# KiCad board RADAR_Main_Boardq.kicad_pcb (continued)
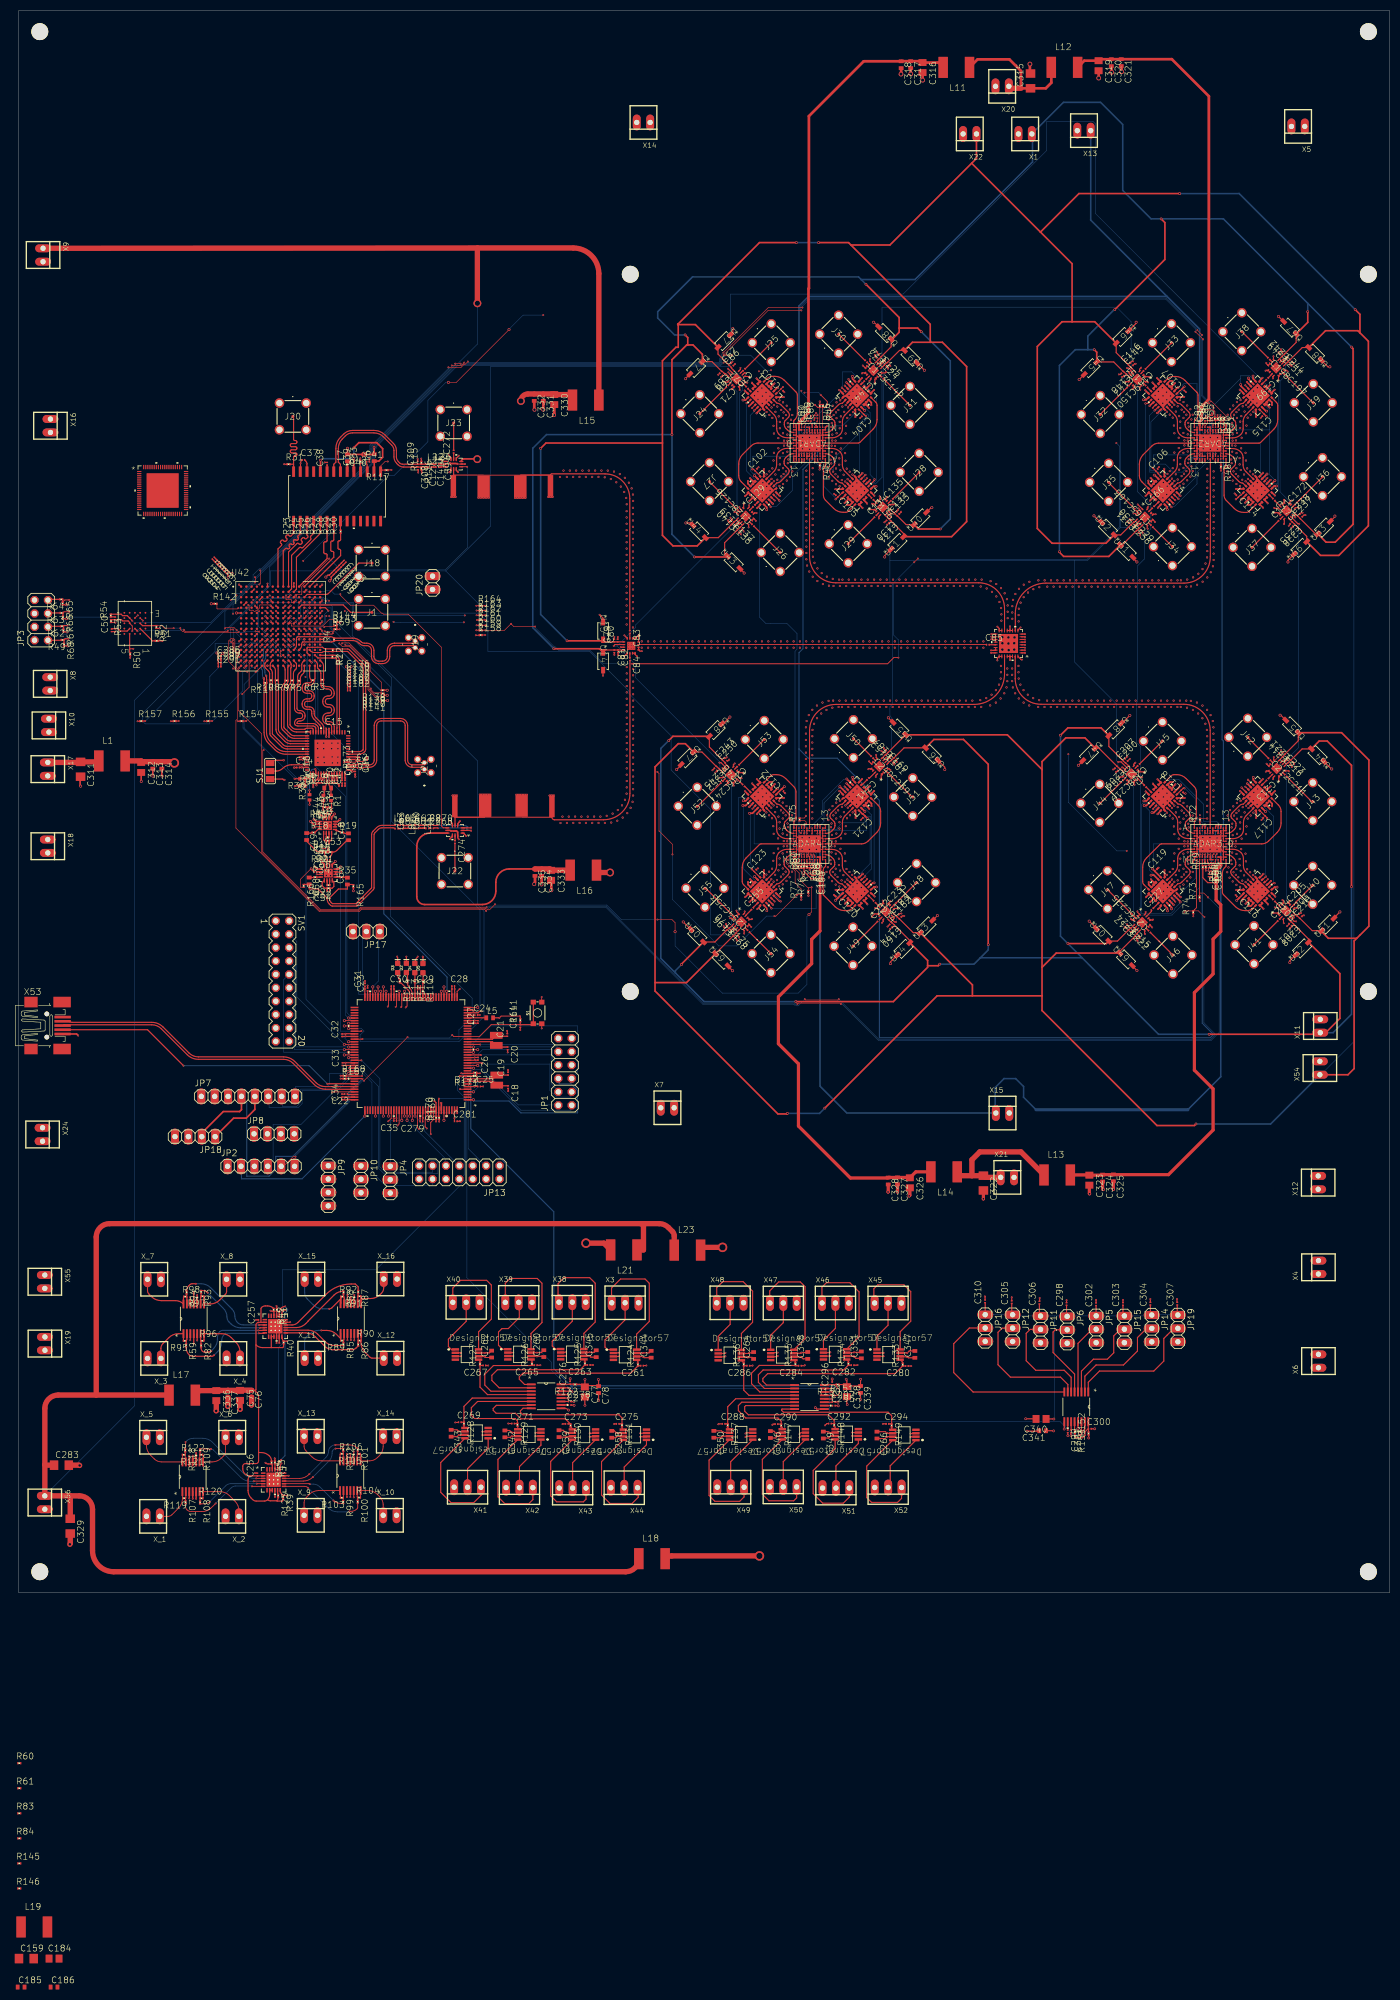
[diagram p0: board, top side]
## Placement (name value [footprint] x y rotation side) (continued)
OPA_2  OPA4703EA/250  [PW14]  33.2 51.95 90 top
OPA_3  OPA4703EA/250  [PW14]  62.9 22.2 90 top
OPA_4  OPA4703EA/250  [PW14]  63 52 90 top
R1  24R  [R0402]  59.23 150.71 270 top
R2  100R  [R0201]  59.5 177.5 270 top
R3  100R  [R0201]  57.56 173.11 180 top
R4  100R  [R0201]  59.81 180.74 90 top
R5  100R  [R0201]  53.16 172.94 180 top
R6  100R  [R0201]  55.8 173.04 180 top
R7  100R  [R0201]  51.85 172.99 180 top
R8  100R  [R0201]  48.95 173.01 180 top
R9  100R  [R0201]  50.79 172.96 180 top
R10  100R  [R0201]  47.85 173.01 180 top
R11  100R  [R0201]  46.77 172.53 180 top
R12  100R  [R0201]  59.57 178.72 270 top
R13  24R  [R0402]  57.79 150.7 270 top
R14  115R  [R0201]  58.6 143.28 180 top
R15  4.3k  [R0201]  58.6 142.62 180 top
R16  200R  [R0201]  58.01 148.94 180 top
R17  200R  [R0201]  59.07 148.92 180 top
R18  0R  [R0201]  55.93 144.16 0 top
R19  0R  [R0201]  61.32 144.15 0 top
R20  200R  [R0201]  58.22 140.45 180 top
R21  200R  [R0201]  59.16 140.45 180 top
R22  56R  [R0201]  58.76 134.18 180 top
R23  22R  [R0201]  52.14 201.13 90 top
R24  22R  [R0201]  53.44 201.1 90 top
R25  22R  [R0201]  54.69 201.12 90 top
R26  22R  [R0201]  55.94 201.14 90 top
R27  22R  [R0201]  57.24 201.16 90 top
R28  22R  [R0201]  58.49 201.18 90 top
R29  22R  [R0201]  59.76 201.19 90 top
R30  22R  [R0201]  61.06 201.21 90 top
R31  50R  [R0201]  51.18 213.99 0 top
R32  4.3k  [R0201]  58.76 133.6 180 top
R33  3k2  [R0201]  64.84 214.45 90 top
R34  0R  [R0201]  56.23 135.69 0 top
R35  0R  [R0201]  61.21 135.68 0 top
R36  830R  [R0402]  53.83 154.35 180 top
R37  1k  [R0402]  53.81 152.99 0 top
R38  20k  [R0402]  55.16 150.83 90 top
R39  10k  [R0201]  50.14 18.2 270 top
R40  10k  [R0201]  50.24 47.48 270 top
R41  1k  [R0201]  48.94 53.66 270 top
R42  4.7k  [R0201]  48.36 53.66 270 top
R43  1k  [R0201]  48.59 24.74 270 top
R44  4.7k  [R0201]  47.96 24.69 270 top
R45  4.7k  [R0201]  151.96 213.75 270 top
R46  4.7k  [R0201]  151.95 225.02 270 top
R47  4.7k  [R0201]  152.5 225.03 270 top
R48  4.7k  [R0201]  228.03 213.51 270 top
R49  22R  [R0201]  8.32 180.66 180 top
R50  4.7k  [R0201]  21.13 177.99 270 top
R51  22R  [R0201]  26.17 180.49 0 top
R52  4.7k  [R0201]  26.11 183.12 270 top
R53  4.7k  [R0201]  17.51 184.25 270 top
R54  4.7k  [R0201]  17.46 185.3 90 top
R55  1k  [R0201]  227.41 222.59 90 top
R56  1k  [R0201]  225.16 137.61 270 top
R57  1k  [R0201]  147.86 137.67 270 top
R58  1k  [R0201]  149.49 137.69 270 top
R59  1k  [R0201]  31.74 46.95 270 top
R60  33R  [R0201]  0.1 -32.3 0 top
R61  33R  [R0201]  0.1 -37.05 0 top
R62  22R  [R0201]  8.21 183.26 180 top
R63  22R  [R0201]  8.11 185.79 180 top
R64  22R  [R0201]  8.07 188.36 180 top
R65  4.7k  [R0201]  8.33 187.59 270 top
R66  4.7k  [R0201]  8.38 184.94 270 top
R67  4.7k  [R0201]  8.48 182.47 270 top
R68  4.7k  [R0201]  8.58 179.78 270 top
R69  4.7k  [R0201]  60.07 182.71 0 top
R70  4.7k  [R0201]  227.96 222.61 270 top
R71  4.7k  [R0201]  228.51 222.62 270 top
R72  4.7k  [R0201]  224.06 146.58 90 top
R73  4.7k  [R0201]  223.99 131.89 90 top
R74  4.7k  [R0201]  222.78 129.02 90 top
R75  4.7k  [R0201]  148.11 146.64 90 top
R76  4.7k  [R0201]  149.76 132.9 90 top
R77  4.7k  [R0201]  148.42 132.2 90 top
R78  840R  [R0201]  226.88 222.61 270 top
R79  840R  [R0201]  224.6 137.59 90 top
R80  840R  [R0201]  148.4 137.67 90 top
R81  840R  [R0201]  148.95 137.67 90 top
R82  1k  [R0201]  34.59 46.9 270 top
R83  33R  [R0201]  0.1 -41.8 0 top
R84  33R  [R0201]  0.1 -46.55 0 top
R85  1k  [R0201]  61.59 47.14 270 top
R86  1k  [R0201]  64.39 47.07 270 top
R87  1k  [R0201]  64.39 57.05 270 top
R88  1k  [R0201]  61.59 56.93 270 top
R89  2.443k  [R0201]  61.33 47.83 180 top
R90  2.443k  [R0201]  64.65 47.82 0 top
R91  2.443k  [R0201]  64.62 56.23 180 top
R92  2.443k  [R0201]  61.36 56.17 0 top
R93  1k  [R0201]  34.59 57.06 270 top
R94  1k  [R0201]  31.84 56.94 270 top
R95  2.443k  [R0201]  31.51 47.78 180 top
R96  2.443k  [R0201]  34.82 47.77 0 top
R97  2.443k  [R0201]  34.85 56.23 180 top
R98  2.443k  [R0201]  31.58 56.17 0 top
R99  1k  [R0201]  61.54 17.22 270 top
R100  1k  [R0201]  64.3 17.28 270 top
R101  1k  [R0201]  64.3 27.13 270 top
R102  1k  [R0201]  61.55 27.13 270 top
R103  2.443k  [R0201]  61.29 18.03 180 top
R104  2.443k  [R0201]  64.54 18.07 0 top
R105  2.443k  [R0201]  64.53 26.33 180 top
R106  2.443k  [R0201]  61.3 26.37 0 top
R107  1k  [R0201]  31.65 17.18 270 top
R108  1k  [R0201]  34.4 17.13 270 top
R109  1k  [R0201]  34.4 27.03 270 top
R110  500R  [R0201]  76.7 115.88 270 top
R111  10k  [R0201]  95.14 108.56 90 top
R112  500R  [R0201]  75.15 115.93 270 top
R113  500R  [R0201]  73.75 115.93 270 top
R114  500R  [R0201]  72.3 115.93 270 top
R115  50R  [R0201]  76.36 213.18 90 top
R116  50R  [R0201]  76.37 214.26 270 top
R117  4.7k  [R0201]  69.78 212.87 180 top
R118  1k  [R0201]  31.58 26.98 270 top
R119  2.443k  [R0201]  31.37 17.93 180 top
R120  2.443k  [R0201]  34.66 17.92 0 top
R121  2.443k  [R0201]  34.61 26.18 180 top
R122  2.443k  [R0201]  31.32 26.17 0 top
R123  10k  [R0201]  49.2 18.43 270 top
R124  1k  [R0201]  117.45 43.27 90 top
R125  1k  [R0201]  107.4 43.47 90 top
R126  1k  [R0201]  97.35 43.42 90 top
R127  1k  [R0201]  87.5 43.37 90 top
R128  1k  [R0201]  84.45 32.08 270 top
R129  1k  [R0201]  94.6 31.88 270 top
R130  1k  [R0201]  104.68 31.73 270 top
R131  1k  [R0201]  114.43 31.78 270 top
R132  5R  [R0201]  105.53 39.53 180 top
R133  1k  [R0201]  167.67 43.27 90 top
R134  1k  [R0201]  157.37 43.42 90 top
R135  1k  [R0201]  147.32 43.37 90 top
R136  1k  [R0201]  137.52 43.32 90 top
R137  1k  [R0201]  134.48 31.78 270 top
R138  1k  [R0201]  69.03 171.15 180 top
R139  1k  [R0201]  69.03 170.5 180 top
R140  1k  [R0201]  69.03 169.84 180 top
R141  4.7k  [R0201]  69.03 169.17 180 top
R142  4.7k  [R0201]  37.34 187.53 0 top
R143  4.7k  [R0201]  60.07 183.41 0 top
R144  1k  [R0201]  60.07 184.08 0 top
R145  33R  [R0201]  0.1 -51.3 0 top
R146  33R  [R0201]  0.1 -56.05 0 top
R147  1k  [R0201]  144.63 31.73 270 top
R148  1k  [R0201]  154.68 31.83 270 top
R149  1k  [R0201]  165.58 31.73 270 top
R150  5R  [R0201]  155.33 39.49 180 top
R151  10k  [R0201]  154.47 37.43 0 top
R152  5R  [R0201]  202.92 30.22 90 top
R153  10k  [R0201]  200.33 30.48 270 top
R154  22.1k  [R0201]  42.27 165.29 0 top
R155  22.1k  [R0201]  35.92 165.29 0 top
R156  22.1k  [R0201]  29.57 165.29 0 top
R157  22.1k  [R0201]  23.22 165.29 0 top
R158  22.1k  [R0201]  87.62 181.59 0 top
R159  22.1k  [R0201]  87.62 182.49 0 top
R160  22.1k  [R0201]  87.62 183.44 0 top
R161  22.1k  [R0201]  87.62 184.44 0 top
R162  22.1k  [R0201]  87.62 185.34 0 top
R163  22.1k  [R0201]  87.62 186.24 0 top
R164  22.1k  [R0201]  87.62 187.14 0 top
R165  25R  [R0201]  63.47 133.96 270 top
R166  25R  [R0201]  54.05 134.03 270 top
R167  1k  [R0201]  61.82 97.48 0 top
R168  1k  [R0201]  61.82 98.03 0 top
R169  1k  [R0201]  79.72 90.07 90 top
R170  1k  [R0201]  79.17 90.07 90 top
R171  1k  [R0201]  86.58 98.07 180 top
R172  1k  [R0201]  86.58 98.62 180 top
R173  100R  [R0201]  63.5 156.75 90 top
RF_SW_1  M3SWA2-34DR+  [16_QFN]  137.9 204.15 315 top
RF_SW_2  M3SWA2-34DR+  [16_QFN]  163.85 205.85 45 top
RF_SW_3  M3SWA2-34DR+  [16_QFN]  136.16 230.16 225 top
RF_SW_4  M3SWA2-34DR+  [16_QFN]  162.1 231.76 135 top
RF_SW_5  M3SWA2-34DR+  [16_QFN]  213.6 203.95 315 top
RF_SW_6  M3SWA2-34DR+  [16_QFN]  240.5 205.15 45 top
RF_SW_7  M3SWA2-34DR+  [16_QFN]  212.15 230.1 225 top
RF_SW_8  M3SWA2-34DR+  [16_QFN]  238.5 232.25 135 top
RF_SW_9  M3SWA2-34DR+  [16_QFN]  213.1 127.1 315 top
RF_SW_10  M3SWA2-34DR+  [16_QFN]  240.35 129.3 45 top
RF_SW_11  M3SWA2-34DR+  [16_QFN]  211.05 155.25 225 top
RF_SW_12  M3SWA2-34DR+  [16_QFN]  238.6 156.3 135 top
RF_SW_13  M3SWA2-34DR+  [16_QFN]  137.05 127.2 315 top
RF_SW_14  M3SWA2-34DR+  [16_QFN]  164.45 129.2 45 top
RF_SW_15  M3SWA2-34DR+  [16_QFN]  135.1 155.1 225 top
RF_SW_16  M3SWA2-34DR+  [16_QFN]  163.25 156.7 135 top
S1  MOMENTARY-SWITCH-SPST-SMD-4.6X2.8MM  [TACTILE_SWITCH_SMD_4.6X2.8MM]  98.41 109.95 90 top
SJ1  -  [SJ_2]  47.68 155.81 90 top
SV1  -  [MA10-2]  50.03 115.98 270 top
U1  AD9484BCPZ-500  [CP_56_5_ADI]  58.6 159.25 270 top
U2  STM32F746ZGT7  [LQFP-144_STM]  74.41 102.23 180 top
U3  AD9708AR  [RW_28_ADI]  60.39 207.89 90 top
U4  AD8352ACPZ-R7  [CP_16_3_ADI]  58.59 145.49 90 top
U5  LTC5552IUDBTRMPBF  [UDB_12_ADI]  82.49 214.01 0 top
U6  FT601Q-B-T  [QFN76_FTD]  27.3 209 0 top
U7  DAC5578SRGET  [RGE24_2P7X2P7]  48.66 50.54 0 top
U8  AD8352ACPZ-R7  [CP_16_3_ADI]  58.72 136.47 90 top
U9  MT25QL01GBBB8E12-0AUT  [BGA24_MT25QL_MRN]  22.04 183.82 180 top
U10  ADS7830IPWR  [PW16]  100.04 37.25 0 top
U11  INA241A3IDGKRDGK0008A-MFG  [DGK0008A-MFG]  115 45.14 0 top
U13  LTC5552IUDBTRMPBF  [UDB_12_ADI]  82.76 144.55 180 top
U14  SZMMSZ5232BT1G  [SOD-123_ONS]  110.85 176.62 270 top
U15  SZMMSZ5232BT1G  [SOD-123_ONS]  110.85 182.37 270 top
U16  EP4RKU+  [DG1677-2_MNC]  187.75 180 180 top
U17  SZMMSZ5232BT1G  [SOD-123_ONS]  128.49 232.25 225 top
U37  SZMMSZ5232BT1G  [SOD-123_ONS]  133.83 237.34 225 top
U38  SZMMSZ5232BT1G  [SOD-123_ONS]  164.3 238.84 135 top
U39  SZMMSZ5232BT1G  [SOD-123_ONS]  169.16 234.38 135 top
U40  SZMMSZ5232BT1G  [SOD-123_ONS]  171.01 203.72 45 top
U41  SZMMSZ5232BT1G  [SOD-123_ONS]  166.66 199.06 45 top
U42  XC7A50T-2FTG256I  [BGA256C100P16X16_1700X1700X155]  49.68 183.28 0 top
U43  SZMMSZ5232BT1G  [SOD-123_ONS]  135.61 195.39 315 top
U44  SZMMSZ5232BT1G  [SOD-123_ONS]  129.06 201.24 315 top
U45  SZMMSZ5232BT1G  [SOD-123_ONS]  203.29 232.19 225 top
U46  SZMMSZ5232BT1G  [SOD-123_ONS]  209.35 238.11 225 top
U47  SZMMSZ5232BT1G  [SOD-123_ONS]  203.01 158.96 225 top
U48  SZMMSZ5232BT1G  [SOD-123_ONS]  207.96 163.71 225 top
U49  SZMMSZ5232BT1G  [SOD-123_ONS]  210.04 120.11 315 top
U50  SZMMSZ5232BT1G  [SOD-123_ONS]  205.59 124.76 315 top
U51  SZMMSZ5232BT1G  [SOD-123_ONS]  248.29 126.73 45 top
U52  SZMMSZ5232BT1G  [SOD-123_ONS]  243.44 122.18 45 top
U53  SZMMSZ5232BT1G  [SOD-123_ONS]  172.18 126.35 45 top
U54  SZMMSZ5232BT1G  [SOD-123_ONS]  167.83 122.1 45 top
U55  SZMMSZ5232BT1G  [SOD-123_ONS]  167.03 163.87 135 top
U56  SZMMSZ5232BT1G  [SOD-123_ONS]  173.18 159.01 135 top
U57  SZMMSZ5232BT1G  [SOD-123_ONS]  126.84 158.23 225 top
U58  SZMMSZ5232BT1G  [SOD-123_ONS]  132.19 163.58 225 top
U59  SZMMSZ5232BT1G  [SOD-123_ONS]  133.37 120.04 315 top
U60  SZMMSZ5232BT1G  [SOD-123_ONS]  128.72 124.59 315 top
U61  SZMMSZ5232BT1G  [SOD-123_ONS]  210.16 197.51 315 top
U62  SZMMSZ5232BT1G  [SOD-123_ONS]  206.61 201.76 315 top
U63  SZMMSZ5232BT1G  [SOD-123_ONS]  247.59 201.96 45 top
U64  SZMMSZ5232BT1G  [SOD-123_ONS]  246.37 158.82 135 top
U65  SZMMSZ5232BT1G  [SOD-123_ONS]  241.52 164.27 135 top
U66  SZMMSZ5232BT1G  [SOD-123_ONS]  243.12 198.13 45 top
U67  SZMMSZ5232BT1G  [SOD-123_ONS]  241.12 239.87 135 top
U68  SZMMSZ5232BT1G  [SOD-123_ONS]  245.87 234.92 135 top
U69  DAC5578SRGET  [RGE24_2P7X2P7]  48.35 21.44 0 top
U73  INA241A3IDGKRDGK0008A-MFG  [DGK0008A-MFG]  105 45.24 0 top
U74  INA241A3IDGKRDGK0008A-MFG  [DGK0008A-MFG]  94.97 45.22 0 top
U75  INA241A3IDGKRDGK0008A-MFG  [DGK0008A-MFG]  85.02 45.18 0 top
U76  INA241A3IDGKRDGK0008A-MFG  [DGK0008A-MFG]  86.84 30.28 180 top
U77  INA241A3IDGKRDGK0008A-MFG  [DGK0008A-MFG]  96.86 30.03 180 top
U78  INA241A3IDGKRDGK0008A-MFG  [DGK0008A-MFG]  107.22 30.01 180 top
U79  INA241A3IDGKRDGK0008A-MFG  [DGK0008A-MFG]  116.87 29.97 180 top
U80  INA241A3IDGKRDGK0008A-MFG  [DGK0008A-MFG]  164.99 45.18 0 top
U81  INA241A3IDGKRDGK0008A-MFG  [DGK0008A-MFG]  154.84 45.21 0 top
U82  INA241A3IDGKRDGK0008A-MFG  [DGK0008A-MFG]  144.83 45.1 0 top
U83  INA241A3IDGKRDGK0008A-MFG  [DGK0008A-MFG]  134.88 45.06 0 top
U84  INA241A3IDGKRDGK0008A-MFG  [DGK0008A-MFG]  137.03 30.02 180 top
U85  INA241A3IDGKRDGK0008A-MFG  [DGK0008A-MFG]  147.02 30.05 180 top
U86  INA241A3IDGKRDGK0008A-MFG  [DGK0008A-MFG]  157.06 30.07 180 top
U87  INA241A3IDGKRDGK0008A-MFG  [DGK0008A-MFG]  167.98 29.93 180 top
U88  ADS7830IPWR  [PW16]  149.99 37.12 0 top
U89  ADS7830IPWR  [PW16]  200.6 35.26 270 top
U$1  M3SWA2-34DR+  [16_QFN]  116.18 179.55 270 top
U$2  -  [BPF2]  100.86 212.01 180 top
U$3  -  [BPF2]  82.72 146.97 0 top
UNK_HOLE_0  -  [dummyfp0]  4 4 0 top
UNK_HOLE_1  -  [dummyfp1]  256 4 0 top
UNK_HOLE_2  -  [dummyfp2]  256 296 0 top
UNK_HOLE_3  -  [dummyfp3]  4 296 0 top
UNK_HOLE_4  -  [dummyfp4]  256 250 0 top
UNK_HOLE_5  -  [dummyfp5]  256 114 0 top
UNK_HOLE_6  -  [dummyfp6]  116 114 0 top
UNK_HOLE_7  -  [dummyfp7]  116 250 0 top
X1  -  [22-23-2021]  190.9 276.6 180 top
X3  -  [22-23-2031]  115.02 55 0 top
X4  -  [22-23-2021]  246.53 61.72 90 top
X5  -  [22-23-2021]  242.67 278.03 180 top
X6  -  [22-23-2021]  246.53 43.94 90 top
X7  -  [22-23-2021]  123.05 91.97 0 top
X8  -  [22-23-2021]  5.97 172.34 270 top
X9  -  [22-23-2021]  4.62 253.65 270 top
X10  -  [22-23-2021]  5.73 164.46 270 top
X11  -  [22-23-2021]  246.88 107.47 90 top
X12  -  [22-23-2021]  246.48 77.78 90 top
X13  -  [22-23-2021]  202.06 277.23 180 top
X14  -  [22-23-2021]  118.5 278.78 180 top
X15  -  [22-23-2021]  186.61 90.97 0 top
X16  -  [22-23-2021]  6.02 221.28 270 top
X17  -  [22-23-2021]  5.52 156.17 270 top
X18  -  [22-23-2021]  5.52 141.56 270 top
X19  -  [22-23-2021]  4.97 47.25 270 top
X20  -  [22-23-2021]  186.54 285.63 180 top
X21  -  [22-23-2021]  187.52 78.77 0 top
X22  -  [22-23-2021]  180.4 276.6 180 top
X24  -  [22-23-2021]  4.52 86.9 270 top
X38  -  [22-23-2031]  105 55.1 0 top
X39  -  [22-23-2031]  94.83 55.07 0 top
X40  -  [22-23-2031]  84.87 55.08 0 top
X41  -  [22-23-2031]  85.13 20.02 180 top
X42  -  [22-23-2031]  94.98 19.94 180 top
X43  -  [22-23-2031]  105.06 19.86 180 top
X44  -  [22-23-2031]  114.85 19.92 180 top
X45  -  [22-23-2031]  164.89 54.95 0 top
X46  -  [22-23-2031]  154.91 54.95 0 top
X47  -  [22-23-2031]  145.03 54.95 0 top
X48  -  [22-23-2031]  134.94 54.99 0 top
X49  -  [22-23-2031]  135.04 20.03 180 top
X50  -  [22-23-2031]  145.02 20.08 180 top
X51  -  [22-23-2031]  155.01 19.86 180 top
X52  -  [22-23-2031]  164.92 19.97 180 top
X53  MINI-USB-32005-201  [32005-201]  5.33 107.56 0 top
X54  -  [22-23-2021]  246.8 99.5 90 top
X55  -  [22-23-2021]  4.95 58.98 270 top
X56  -  [22-23-2021]  4.95 17.12 270 top
X_1  -  [22-23-2021]  25.5 14.5 180 top
X_2  -  [22-23-2021]  40.5 14.5 180 top
X_3  -  [22-23-2021]  25.7 44.45 180 top
X_4  -  [22-23-2021]  40.7 44.45 180 top
X_5  -  [22-23-2021]  25.5 29.5 0 top
X_6  -  [22-23-2021]  40.5 29.5 0 top
X_7  -  [22-23-2021]  25.7 59.45 0 top
X_8  -  [22-23-2021]  40.7 59.45 0 top
X_9  -  [22-23-2021]  55.4 14.7 0 top
X_10  -  [22-23-2021]  70.4 14.7 0 top
X_11  -  [22-23-2021]  55.5 44.5 0 top
X_12  -  [22-23-2021]  70.5 44.5 0 top
X_13  -  [22-23-2021]  55.4 29.7 0 top
X_14  -  [22-23-2021]  70.4 29.7 0 top
X_15  -  [22-23-2021]  55.5 59.5 0 top
X_16  -  [22-23-2021]  70.5 59.5 0 top
XTAL1  NX3225GD-8MHZ-STD-CRA-3  [XTAL_NX3225GD-8MHZ-STD-CRA-3_N]  90.58 104.75 270 top
XTAL3  NX3215SA-32.768KHz  [XTAL_NX3225GD-8MHZ-STD-CRA-3_N]  90.68 97.21 270 top

## Footprints (pads in the part's own frame, mm; a bottom-side part is the same pattern mirrored in y, then rotated)
1X02
  oval 1.524x3.048 hole 1.016: 1(-1.27,0) 2(1.27,0)
1X03
  oval 1.524x3.048 hole 1.016: 1(-2.54,0) 2(0,0) 3(2.54,0)
1X04
  oval 1.524x3.048 hole 1.016: 1(-3.81,0) 2(-1.27,0) 3(1.27,0) 4(3.81,0)
1X06
  oval 1.524x3.048 hole 1.016: 1(-6.35,0) 2(-3.81,0) 3(-1.27,0) 4(1.27,0) 5(3.81,0) 6(6.35,0)
1X08
  oval 1.524x3.048 hole 1.016: 1(-8.89,0) 2(-6.35,0) 3(-3.81,0) 4(-1.27,0) 5(1.27,0) 6(3.81,0) 7(6.35,0) 8(8.89,0)
2X04
  rrect 1.524x1.524 hole 1.016: 1(-3.81,-1.27) 2(-3.81,1.27) 3(-1.27,-1.27) 4(-1.27,1.27) 5(1.27,-1.27) 6(1.27,1.27) 7(3.81,-1.27) 8(3.81,1.27)
2X06
  rrect 1.524x1.524 hole 1.016: 1(-6.35,-1.27) 2(-6.35,1.27) 3(-3.81,-1.27) 4(-3.81,1.27) 5(-1.27,-1.27) 6(-1.27,1.27) 7(1.27,-1.27) 8(1.27,1.27) 9(3.81,-1.27) 10(3.81,1.27) 11(6.35,-1.27) 12(6.35,1.27)
2X07
  rrect 1.524x1.524 hole 1.016: 1(-7.62,-1.27) 2(-7.62,1.27) 3(-5.08,-1.27) 4(-5.08,1.27) 5(-2.54,-1.27) 6(-2.54,1.27) 7(0,-1.27) 8(0,1.27) 9(2.54,-1.27) 10(2.54,1.27) 11(5.08,-1.27) 12(5.08,1.27) 13(7.62,-1.27) 14(7.62,1.27)
16_QFN
  rect 0.5x0.22 smd: 1(-1.4,0.74) 2(-1.4,0.24) 3(-1.4,-0.26) 4(-1.4,-0.76) 9(1.4,-0.76) 10(1.4,-0.26) 11(1.4,0.24) 12(1.4,0.74)
  rect 0.22x0.5 smd: 5(-0.74,-1.4) 6(-0.24,-1.4) 7(0.26,-1.4) 8(0.76,-1.4) 13(0.76,1.4) 14(0.26,1.4) 15(-0.24,1.4) 16(-0.74,1.4)
  rect 1.54x1.54 smd: 17(0,0)
22-23-2021
  oval 1.5x3 hole 1: 1(-1.27,0) 2(1.27,0)
22-23-2031
  oval 1.5x3 hole 1: 1(-2.54,0) 2(0,0) 3(2.54,0)
0402
  rect 0.7x0.9 smd: 1(-0.65,0) 2(0.65,0)
32005-201
  round 0.9 hole 0.9 unplated: (0,2.2) (0,-2.2)
  rect 3.1x0.5 smd: 1(3,1.6) 2(3,0.8) 3(3,0) 4(3,-0.8) 5(3,-1.6)
  rect 2.5x2 smd: M1(-3,-4.45) M2(-3,4.45)
  rect 3.3x2 smd: M3(2.9,4.45) M4(2.9,-4.45)
1420731211
  rrect 0.559x0.559 smd: 1(0,0)
  round 1.791 hole 1.194: 2(-2.54,2.54) 3(-2.54,-2.54) 4(2.54,-2.54) 5(2.54,2.54)
BGA24_MT25QL_MRN
  rrect 0.33x0.33 smd: A2(-1,2) A3(0,2) A4(1,2) A5(2,2) B1(-2,1) B2(-1,1) B3(0,1) B4(1,1) B5(2,1) C1(-2,0) C2(-1,0) C3(0,0) C4(1,0) C5(2,0) D1(-2,-1) D2(-1,-1) D3(0,-1) D4(1,-1) D5(2,-1) E1(-2,-2) E2(-1,-2) E3(0,-2) E4(1,-2) E5(2,-2)
BGA256C100P16X16_1700X1700X155
  rrect 0.45x0.45 smd: A1(-7.5,7.5) A2(-6.5,7.5) A3(-5.5,7.5) A4(-4.5,7.5) A5(-3.5,7.5) A6(-2.5,7.5) A7(-1.5,7.5) A8(-0.5,7.5) A9(0.5,7.5) A10(1.5,7.5) A11(2.5,7.5) A12(3.5,7.5) A13(4.5,7.5) A14(5.5,7.5) A15(6.5,7.5) A16(7.5,7.5) B1(-7.5,6.5) B2(-6.5,6.5) B3(-5.5,6.5) B4(-4.5,6.5) B5(-3.5,6.5) B6(-2.5,6.5) B7(-1.5,6.5) B8(-0.5,6.5) B9(0.5,6.5) B10(1.5,6.5) B11(2.5,6.5) B12(3.5,6.5) B13(4.5,6.5) B14(5.5,6.5) B15(6.5,6.5) B16(7.5,6.5) C1(-7.5,5.5) C2(-6.5,5.5) C3(-5.5,5.5) C4(-4.5,5.5) C5(-3.5,5.5) C6(-2.5,5.5) C7(-1.5,5.5) C8(-0.5,5.5) C9(0.5,5.5) C10(1.5,5.5) C11(2.5,5.5) C12(3.5,5.5) C13(4.5,5.5) C14(5.5,5.5) C15(6.5,5.5) C16(7.5,5.5) D1(-7.5,4.5) D2(-6.5,4.5) D3(-5.5,4.5) D4(-4.5,4.5) D5(-3.5,4.5) D6(-2.5,4.5) D7(-1.5,4.5) D8(-0.5,4.5) D9(0.5,4.5) D10(1.5,4.5) D11(2.5,4.5) D12(3.5,4.5) D13(4.5,4.5) D14(5.5,4.5) D15(6.5,4.5) D16(7.5,4.5) E1(-7.5,3.5) E2(-6.5,3.5) E3(-5.5,3.5) E4(-4.5,3.5) E5(-3.5,3.5) E6(-2.5,3.5) E7(-1.5,3.5) E8(-0.5,3.5) E9(0.5,3.5) E10(1.5,3.5) E11(2.5,3.5) E12(3.5,3.5) E13(4.5,3.5) E14(5.5,3.5) E15(6.5,3.5) E16(7.5,3.5) F1(-7.5,2.5) F2(-6.5,2.5) F3(-5.5,2.5) F4(-4.5,2.5) F5(-3.5,2.5) F6(-2.5,2.5) F7(-1.5,2.5) F8(-0.5,2.5) F9(0.5,2.5) F10(1.5,2.5) F11(2.5,2.5) F12(3.5,2.5) F13(4.5,2.5) F14(5.5,2.5) F15(6.5,2.5) F16(7.5,2.5) G1(-7.5,1.5) G2(-6.5,1.5) G3(-5.5,1.5) G4(-4.5,1.5) G5(-3.5,1.5) G6(-2.5,1.5) G7(-1.5,1.5) G8(-0.5,1.5) G9(0.5,1.5) G10(1.5,1.5) G11(2.5,1.5) G12(3.5,1.5) G13(4.5,1.5) G14(5.5,1.5) G15(6.5,1.5) G16(7.5,1.5) H1(-7.5,0.5) H2(-6.5,0.5) H3(-5.5,0.5) H4(-4.5,0.5) H5(-3.5,0.5) H6(-2.5,0.5) H7(-1.5,0.5) H8(-0.5,0.5) H9(0.5,0.5) H10(1.5,0.5) H11(2.5,0.5) H12(3.5,0.5) H13(4.5,0.5) H14(5.5,0.5) H15(6.5,0.5) H16(7.5,0.5) J1(-7.5,-0.5) J2(-6.5,-0.5) J3(-5.5,-0.5) J4(-4.5,-0.5) J5(-3.5,-0.5) J6(-2.5,-0.5) J7(-1.5,-0.5) J8(-0.5,-0.5) J9(0.5,-0.5) J10(1.5,-0.5) J11(2.5,-0.5) J12(3.5,-0.5) J13(4.5,-0.5) J14(5.5,-0.5) J15(6.5,-0.5) J16(7.5,-0.5) K1(-7.5,-1.5) K2(-6.5,-1.5) K3(-5.5,-1.5) K4(-4.5,-1.5) K5(-3.5,-1.5) K6(-2.5,-1.5) K7(-1.5,-1.5) K8(-0.5,-1.5) K9(0.5,-1.5) K10(1.5,-1.5) K11(2.5,-1.5) K12(3.5,-1.5) K13(4.5,-1.5) K14(5.5,-1.5) K15(6.5,-1.5) K16(7.5,-1.5) L1(-7.5,-2.5) L2(-6.5,-2.5) L3(-5.5,-2.5) L4(-4.5,-2.5) L5(-3.5,-2.5) L6(-2.5,-2.5) L7(-1.5,-2.5) L8(-0.5,-2.5) L9(0.5,-2.5) L10(1.5,-2.5) L11(2.5,-2.5) L12(3.5,-2.5) L13(4.5,-2.5) L14(5.5,-2.5) L15(6.5,-2.5) L16(7.5,-2.5) M1(-7.5,-3.5) M2(-6.5,-3.5) M3(-5.5,-3.5) M4(-4.5,-3.5) M5(-3.5,-3.5) M6(-2.5,-3.5) M7(-1.5,-3.5) M8(-0.5,-3.5) M9(0.5,-3.5) M10(1.5,-3.5) M11(2.5,-3.5) M12(3.5,-3.5) M13(4.5,-3.5) M14(5.5,-3.5) M15(6.5,-3.5) M16(7.5,-3.5) N1(-7.5,-4.5) N2(-6.5,-4.5) N3(-5.5,-4.5) N4(-4.5,-4.5) N5(-3.5,-4.5) N6(-2.5,-4.5) N7(-1.5,-4.5) N8(-0.5,-4.5) N9(0.5,-4.5) N10(1.5,-4.5) N11(2.5,-4.5) N12(3.5,-4.5) N13(4.5,-4.5) N14(5.5,-4.5) N15(6.5,-4.5) N16(7.5,-4.5) P1(-7.5,-5.5) P2(-6.5,-5.5) P3(-5.5,-5.5) P4(-4.5,-5.5) P5(-3.5,-5.5) P6(-2.5,-5.5) P7(-1.5,-5.5) P8(-0.5,-5.5) P9(0.5,-5.5) P10(1.5,-5.5) P11(2.5,-5.5) P12(3.5,-5.5) P13(4.5,-5.5) P14(5.5,-5.5) P15(6.5,-5.5) P16(7.5,-5.5) R1(-7.5,-6.5) R2(-6.5,-6.5) R3(-5.5,-6.5) R4(-4.5,-6.5) R5(-3.5,-6.5) R6(-2.5,-6.5) R7(-1.5,-6.5) R8(-0.5,-6.5) R9(0.5,-6.5) R10(1.5,-6.5) R11(2.5,-6.5) R12(3.5,-6.5) R13(4.5,-6.5) R14(5.5,-6.5) R15(6.5,-6.5) R16(7.5,-6.5) T1(-7.5,-7.5) T2(-6.5,-7.5) T3(-5.5,-7.5) T4(-4.5,-7.5) T5(-3.5,-7.5) T6(-2.5,-7.5) T7(-1.5,-7.5) T8(-0.5,-7.5) T9(0.5,-7.5) T10(1.5,-7.5) T11(2.5,-7.5) T12(3.5,-7.5) T13(4.5,-7.5) T14(5.5,-7.5) T15(6.5,-7.5) T16(7.5,-7.5)
BPF2
  rect 0.169x0.169 smd: P$1(0,0.1) P$2(18.415,0.1)
C0201
  rect 0.25x0.35 smd: 1(-0.25,0) 2(0.25,0)
C0402
  rect 0.7x0.9 smd: 1(-0.65,0) 2(0.65,0)
C0805
  rect 1.3x1.5 smd: 1(-0.95,0) 2(0.95,0)
C1206
  rect 1.6x1.8 smd: 1(-1.4,0) 2(1.4,0)
CC-24-8_ADI
  rect 0.508x0.356 smd: 1(-2.146,1.625) 2(-2.146,0.975) 3(-2.146,0.325) 4(-2.146,-0.325) 5(-2.146,-0.975) 6(-2.146,-1.625) 13(2.146,-1.625) 14(2.146,-0.975) 15(2.146,-0.325) 16(2.146,0.325) 17(2.146,0.975) 18(2.146,1.625)
  rect 0.356x0.508 smd: 7(-1.625,-2.146) 8(-0.975,-2.146) 9(-0.325,-2.146) 10(0.325,-2.146) 11(0.975,-2.146) 12(1.625,-2.146) 19(1.625,2.146) 20(0.975,2.146) 21(0.325,2.146) 22(-0.325,2.146) 23(-0.975,2.146) 24(-1.625,2.146)
  rect 3.302x3.302 smd: 25(0,0)
CC-88-1_ADI
  rect 4.242x3.251 smd: 89(0,0)
  rect 0.254x0.254 smd: A1(-3,3) A2(-2.5,3) A3(-2,3) A4(-1.5,3) A5(-1,3) A6(-0.5,3) A7(0,3) A8(0.5,3) A9(1,3) A10(1.5,3) A11(2,3) A12(2.5,3) A13(3,3) B1(-3,2.5) B2(-2.5,2.5) B3(-2,2.5) B4(-1.5,2.5) B5(-1,2.5) B6(-0.5,2.5) B7(0,2.5) B8(0.5,2.5) B9(1,2.5) B10(1.5,2.5) B11(2,2.5) B12(2.5,2.5) B13(3,2.5) C1(-3,2) C2(-2.5,2) C12(2.5,2) C13(3,2) D1(-3,1.5) D2(-2.5,1.5) D12(2.5,1.5) D13(3,1.5) E1(-3,1) E2(-2.5,1) E12(2.5,1) E13(3,1) F1(-3,0.5) F2(-2.5,0.5) F12(2.5,0.5) F13(3,0.5) G1(-3,0) G2(-2.5,0) G12(2.5,0) G13(3,0) H1(-3,-0.5) H2(-2.5,-0.5) H12(2.5,-0.5) H13(3,-0.5) J1(-3,-1) J2(-2.5,-1) J12(2.5,-1) J13(3,-1) K1(-3,-1.5) K2(-2.5,-1.5) K12(2.5,-1.5) K13(3,-1.5) L1(-3,-2) L2(-2.5,-2) L12(2.5,-2) L13(3,-2) M1(-3,-2.5) M2(-2.5,-2.5) M3(-2,-2.5) M4(-1.5,-2.5) M5(-1,-2.5) M6(-0.5,-2.5) M7(0,-2.5) M8(0.5,-2.5) M9(1,-2.5) M10(1.5,-2.5) M11(2,-2.5) M12(2.5,-2.5) M13(3,-2.5) N1(-3,-3) N2(-2.5,-3) N3(-2,-3) N4(-1.5,-3) N5(-1,-3) N6(-0.5,-3) N7(0,-3) N8(0.5,-3) N9(1,-3) N10(1.5,-3) N11(2,-3) N12(2.5,-3) N13(3,-3)
CJTTPHHSTTH1
  round 1 hole 0.64: 1(-0.635,0) 2(0.635,0)
  round 1.365 hole 0.84: MH1(-1.27,1.27) MH2(1.27,1.27) MH3(-1.27,-1.27) MH4(1.27,-1.27)
CP_16_3_ADI
  rect 0.813x0.254 smd: 1(-1.397,0.75) 2(-1.397,0.25) 3(-1.397,-0.25) 4(-1.397,-0.75) 9(1.397,-0.75) 10(1.397,-0.25) 11(1.397,0.25) 12(1.397,0.75)
  rect 0.254x0.813 smd: 5(-0.75,-1.397) 6(-0.25,-1.397) 7(0.25,-1.397) 8(0.75,-1.397) 13(0.75,1.397) 14(0.25,1.397) 15(-0.25,1.397) 16(-0.75,1.397)
  rect 1.651x1.651 smd: 17(0,0)
CP_56_5_ADI
  rect 0.805x0.249 smd: 1(-3.902,3.25) 2(-3.902,2.75) 3(-3.902,2.25) 4(-3.902,1.75) 5(-3.902,1.25) 6(-3.902,0.75) 7(-3.902,0.25) 8(-3.902,-0.25) 9(-3.902,-0.75) 10(-3.902,-1.25) 11(-3.902,-1.75) 12(-3.902,-2.25) 13(-3.902,-2.75) 14(-3.902,-3.25) 29(3.902,-3.25) 30(3.902,-2.75) 31(3.902,-2.25) 32(3.902,-1.75) 33(3.902,-1.25) 34(3.902,-0.75) 35(3.902,-0.25) 36(3.902,0.25) 37(3.902,0.75) 38(3.902,1.25) 39(3.902,1.75) 40(3.902,2.25) 41(3.902,2.75) 42(3.902,3.25)
  rect 0.249x0.805 smd: 15(-3.25,-3.902) 16(-2.75,-3.902) 17(-2.25,-3.902) 18(-1.75,-3.902) 19(-1.25,-3.902) 20(-0.75,-3.902) 21(-0.25,-3.902) 22(0.25,-3.902) 23(0.75,-3.902) 24(1.25,-3.902) 25(1.75,-3.902) 26(2.25,-3.902) 27(2.75,-3.902) 28(3.25,-3.902) 43(3.25,3.902) 44(2.75,3.902) 45(2.25,3.902) 46(1.75,3.902) 47(1.25,3.902) 48(0.75,3.902) 49(0.25,3.902) 50(-0.25,3.902) 51(-0.75,3.902) 52(-1.25,3.902) 53(-1.75,3.902) 54(-2.25,3.902) 55(-2.75,3.902) 56(-3.25,3.902)
  rect 5x5 smd: 57(0,0)
DG1677-2_MNC
  rect 0.711x0.178 smd: 1(-2.451,1.778) 2(-2.451,1.27) 3(-2.451,0.762) 4(-2.451,0.254) 5(-2.451,-0.254) 6(-2.451,-0.762) 7(-2.451,-1.27) 8(-2.451,-1.778) 17(2.451,-1.778) 18(2.451,-1.27) 19(2.451,-0.762) 20(2.451,-0.254) 21(2.451,0.254) 22(2.451,0.762) 23(2.451,1.27) 24(2.451,1.778)
  rect 0.178x0.711 smd: 9(-1.778,-2.451) 10(-1.27,-2.451) 11(-0.762,-2.451) 12(-0.254,-2.451) 13(0.254,-2.451) 14(0.762,-2.451) 15(1.27,-2.451) 16(1.778,-2.451) 25(1.778,2.451) 26(1.27,2.451) 27(0.762,2.451) 28(0.254,2.451) 29(-0.254,2.451) 30(-0.762,2.451) 31(-1.27,2.451) 32(-1.778,2.451)
  rect 3.607x3.607 smd: 33(0,0)
DGK0008A-MFG
  rect 1.4x0.45 smd: 1(-2.2,0.975) 2(-2.2,0.325) 3(-2.2,-0.325) 4(-2.2,-0.975) 5(2.2,-0.975) 6(2.2,-0.325) 7(2.2,0.325) 8(2.2,0.975)
dummyfp0
  round 3.2 hole 3.2 unplated: (0,0)
dummyfp1
  round 3.2 hole 3.2 unplated: (0,0)
dummyfp2
  round 3.2 hole 3.2 unplated: (0,0)
dummyfp3
  round 3.2 hole 3.2 unplated: (0,0)
dummyfp4
  round 3.2 hole 3.2 unplated: (0,0)
dummyfp5
  round 3.2 hole 3.2 unplated: (0,0)
dummyfp6
  round 3.2 hole 3.2 unplated: (0,0)
dummyfp7
  round 3.2 hole 3.2 unplated: (0,0)
L0201
  rect 0.25x0.35 smd: 1(-0.275,0) 2(0.275,0)
L5650M
  rect 1.8x4 smd: 1(-2.5,0) 2(2.5,0)
LED-0603
  rrect 1x1 smd: A(-0.877,0) C(0.877,0)
LQFP-144_STM
  rect 1.473x0.279 smd: 1(-10.719,8.75) 2(-10.719,8.25) 3(-10.719,7.75) 4(-10.719,7.25) 5(-10.719,6.75) 6(-10.719,6.25) 7(-10.719,5.75) 8(-10.719,5.25) 9(-10.719,4.75) 10(-10.719,4.25) 11(-10.719,3.75) 12(-10.719,3.25) 13(-10.719,2.75) 14(-10.719,2.25) 15(-10.719,1.75) 16(-10.719,1.25) 17(-10.719,0.75) 18(-10.719,0.25) 19(-10.719,-0.25) 20(-10.719,-0.75) 21(-10.719,-1.25) 22(-10.719,-1.75) 23(-10.719,-2.25) 24(-10.719,-2.75) 25(-10.719,-3.25) 26(-10.719,-3.75) 27(-10.719,-4.25) 28(-10.719,-4.75) 29(-10.719,-5.25) 30(-10.719,-5.75) 31(-10.719,-6.25) 32(-10.719,-6.75) 33(-10.719,-7.25) 34(-10.719,-7.75) 35(-10.719,-8.25) 36(-10.719,-8.75) 73(10.719,-8.75) 74(10.719,-8.25) 75(10.719,-7.75) 76(10.719,-7.25) 77(10.719,-6.75) 78(10.719,-6.25) 79(10.719,-5.75) 80(10.719,-5.25) 81(10.719,-4.75) 82(10.719,-4.25) 83(10.719,-3.75) 84(10.719,-3.25) 85(10.719,-2.75) 86(10.719,-2.25) 87(10.719,-1.75) 88(10.719,-1.25) 89(10.719,-0.75) 90(10.719,-0.25) 91(10.719,0.25) 92(10.719,0.75) 93(10.719,1.25) 94(10.719,1.75) 95(10.719,2.25) 96(10.719,2.75) 97(10.719,3.25) 98(10.719,3.75) 99(10.719,4.25) 100(10.719,4.75) 101(10.719,5.25) 102(10.719,5.75) 103(10.719,6.25) 104(10.719,6.75) 105(10.719,7.25) 106(10.719,7.75) 107(10.719,8.25) 108(10.719,8.75)
  rect 0.279x1.473 smd: 37(-8.75,-10.719) 38(-8.25,-10.719) 39(-7.75,-10.719) 40(-7.25,-10.719) 41(-6.75,-10.719) 42(-6.25,-10.719) 43(-5.75,-10.719) 44(-5.25,-10.719) 45(-4.75,-10.719) 46(-4.25,-10.719) 47(-3.75,-10.719) 48(-3.25,-10.719) 49(-2.75,-10.719) 50(-2.25,-10.719) 51(-1.75,-10.719) 52(-1.25,-10.719) 53(-0.75,-10.719) 54(-0.25,-10.719) 55(0.25,-10.719) 56(0.75,-10.719) 57(1.25,-10.719) 58(1.75,-10.719) 59(2.25,-10.719) 60(2.75,-10.719) 61(3.25,-10.719) 62(3.75,-10.719) 63(4.25,-10.719) 64(4.75,-10.719) 65(5.25,-10.719) 66(5.75,-10.719) 67(6.25,-10.719) 68(6.75,-10.719) 69(7.25,-10.719) 70(7.75,-10.719) 71(8.25,-10.719) 72(8.75,-10.719) 109(8.75,10.719) 110(8.25,10.719) 111(7.75,10.719) 112(7.25,10.719) 113(6.75,10.719) 114(6.25,10.719) 115(5.75,10.719) 116(5.25,10.719) 117(4.75,10.719) 118(4.25,10.719) 119(3.75,10.719) 120(3.25,10.719) 121(2.75,10.719) 122(2.25,10.719) 123(1.75,10.719) 124(1.25,10.719) 125(0.75,10.719) 126(0.25,10.719) 127(-0.25,10.719) 128(-0.75,10.719) 129(-1.25,10.719) 130(-1.75,10.719) 131(-2.25,10.719) 132(-2.75,10.719) 133(-3.25,10.719) 134(-3.75,10.719) 135(-4.25,10.719) 136(-4.75,10.719) 137(-5.25,10.719) 138(-5.75,10.719) 139(-6.25,10.719) 140(-6.75,10.719) 141(-7.25,10.719) 142(-7.75,10.719) 143(-8.25,10.719) 144(-8.75,10.719)
MA10-2
  rrect 1.524x1.524 hole 1.016: 1(-11.43,-1.27) 2(-11.43,1.27) 3(-8.89,-1.27) 4(-8.89,1.27) 5(-6.35,-1.27) 6(-6.35,1.27) 7(-3.81,-1.27) 8(-3.81,1.27) 9(-1.27,-1.27) 10(-1.27,1.27) 11(1.27,-1.27) 12(1.27,1.27) 13(3.81,-1.27) 14(3.81,1.27) 15(6.35,-1.27) 16(6.35,1.27) 17(8.89,-1.27) 18(8.89,1.27) 19(11.43,-1.27) 20(11.43,1.27)
PW14
  rect 1.676x0.356 smd: 1(-2.819,1.95) 2(-2.819,1.3) 3(-2.819,0.65) 4(-2.819,0) 5(-2.819,-0.65) 6(-2.819,-1.3) 7(-2.819,-1.95) 8(2.819,-1.95) 9(2.819,-1.3) 10(2.819,-0.65) 11(2.819,0) 12(2.819,0.65) 13(2.819,1.3) 14(2.819,1.95)
PW16
  rect 1.676x0.356 smd: 1(-2.819,2.275) 2(-2.819,1.625) 3(-2.819,0.975) 4(-2.819,0.325) 5(-2.819,-0.325) 6(-2.819,-0.975) 7(-2.819,-1.625) 8(-2.819,-2.275) 9(2.819,-2.275) 10(2.819,-1.625) 11(2.819,-0.975) 12(2.819,-0.325) 13(2.819,0.325) 14(2.819,0.975) 15(2.819,1.625) 16(2.819,2.275)
QFN76_FTD
  rect 0.813x0.203 smd: 1(-4.445,3.6) 2(-4.445,3.2) 3(-4.445,2.8) 4(-4.445,2.4) 5(-4.445,2) 6(-4.445,1.6) 7(-4.445,1.2) 8(-4.445,0.8) 9(-4.445,0.4) 10(-4.445,0) 11(-4.445,-0.4) 12(-4.445,-0.8) 13(-4.445,-1.2) 14(-4.445,-1.6) 15(-4.445,-2) 16(-4.445,-2.4) 17(-4.445,-2.8) 18(-4.445,-3.2) 19(-4.445,-3.6) 39(4.445,-3.6) 40(4.445,-3.2) 41(4.445,-2.8) 42(4.445,-2.4) 43(4.445,-2) 44(4.445,-1.6) 45(4.445,-1.2) 46(4.445,-0.8) 47(4.445,-0.4) 48(4.445,0) 49(4.445,0.4) 50(4.445,0.8) 51(4.445,1.2) 52(4.445,1.6) 53(4.445,2) 54(4.445,2.4) 55(4.445,2.8) 56(4.445,3.2) 57(4.445,3.6)
  rect 0.203x0.813 smd: 20(-3.6,-4.445) 21(-3.2,-4.445) 22(-2.8,-4.445) 23(-2.4,-4.445) 24(-2,-4.445) 25(-1.6,-4.445) 26(-1.2,-4.445) 27(-0.8,-4.445) 28(-0.4,-4.445) 29(0,-4.445) 30(0.4,-4.445) 31(0.8,-4.445) 32(1.2,-4.445) 33(1.6,-4.445) 34(2,-4.445) 35(2.4,-4.445) 36(2.8,-4.445) 37(3.2,-4.445) 38(3.6,-4.445) 58(3.6,4.445) 59(3.2,4.445) 60(2.8,4.445) 61(2.4,4.445) 62(2,4.445) 63(1.6,4.445) 64(1.2,4.445) 65(0.8,4.445) 66(0.4,4.445) 67(0,4.445) 68(-0.4,4.445) 69(-0.8,4.445) 70(-1.2,4.445) 71(-1.6,4.445) 72(-2,4.445) 73(-2.4,4.445) 74(-2.8,4.445) 75(-3.2,4.445) 76(-3.6,4.445)
  rect 6.071x6.553 smd: 77(0,0)
R0201
  rect 0.28x0.43 smd: 1(-0.255,0) 2(0.255,0)
R0402
  rect 0.6x0.7 smd: 1(-0.5,0) 2(0.5,0)
RGE24_2P7X2P7
  rect 0.85x0.28 smd: 1(-1.975,1.25) 2(-1.975,0.75) 3(-1.975,0.25) 4(-1.975,-0.25) 5(-1.975,-0.75) 6(-1.975,-1.25) 13(1.975,-1.25) 14(1.975,-0.75) 15(1.975,-0.25) 16(1.975,0.25) 17(1.975,0.75) 18(1.975,1.25)
  rect 0.28x0.85 smd: 7(-1.25,-1.975) 8(-0.75,-1.975) 9(-0.25,-1.975) 10(0.25,-1.975) 11(0.75,-1.975) 12(1.25,-1.975) 19(1.25,1.975) 20(0.75,1.975) 21(0.25,1.975) 22(-0.25,1.975) 23(-0.75,1.975) 24(-1.25,1.975)
  rect 2.7x2.7 smd: 25(0,0)
  round 0.508 hole 0.254: V(-0.787,-0.787) V_1(-0.787,0) V_2(-0.787,0.787) V_3(0,-0.787) V_4(0,0) V_5(0,0.787) V_6(0.787,-0.787) V_7(0.787,0) V_8(0.787,0.787)
